# KiCad board V5_main.kicad_pcb (continued)
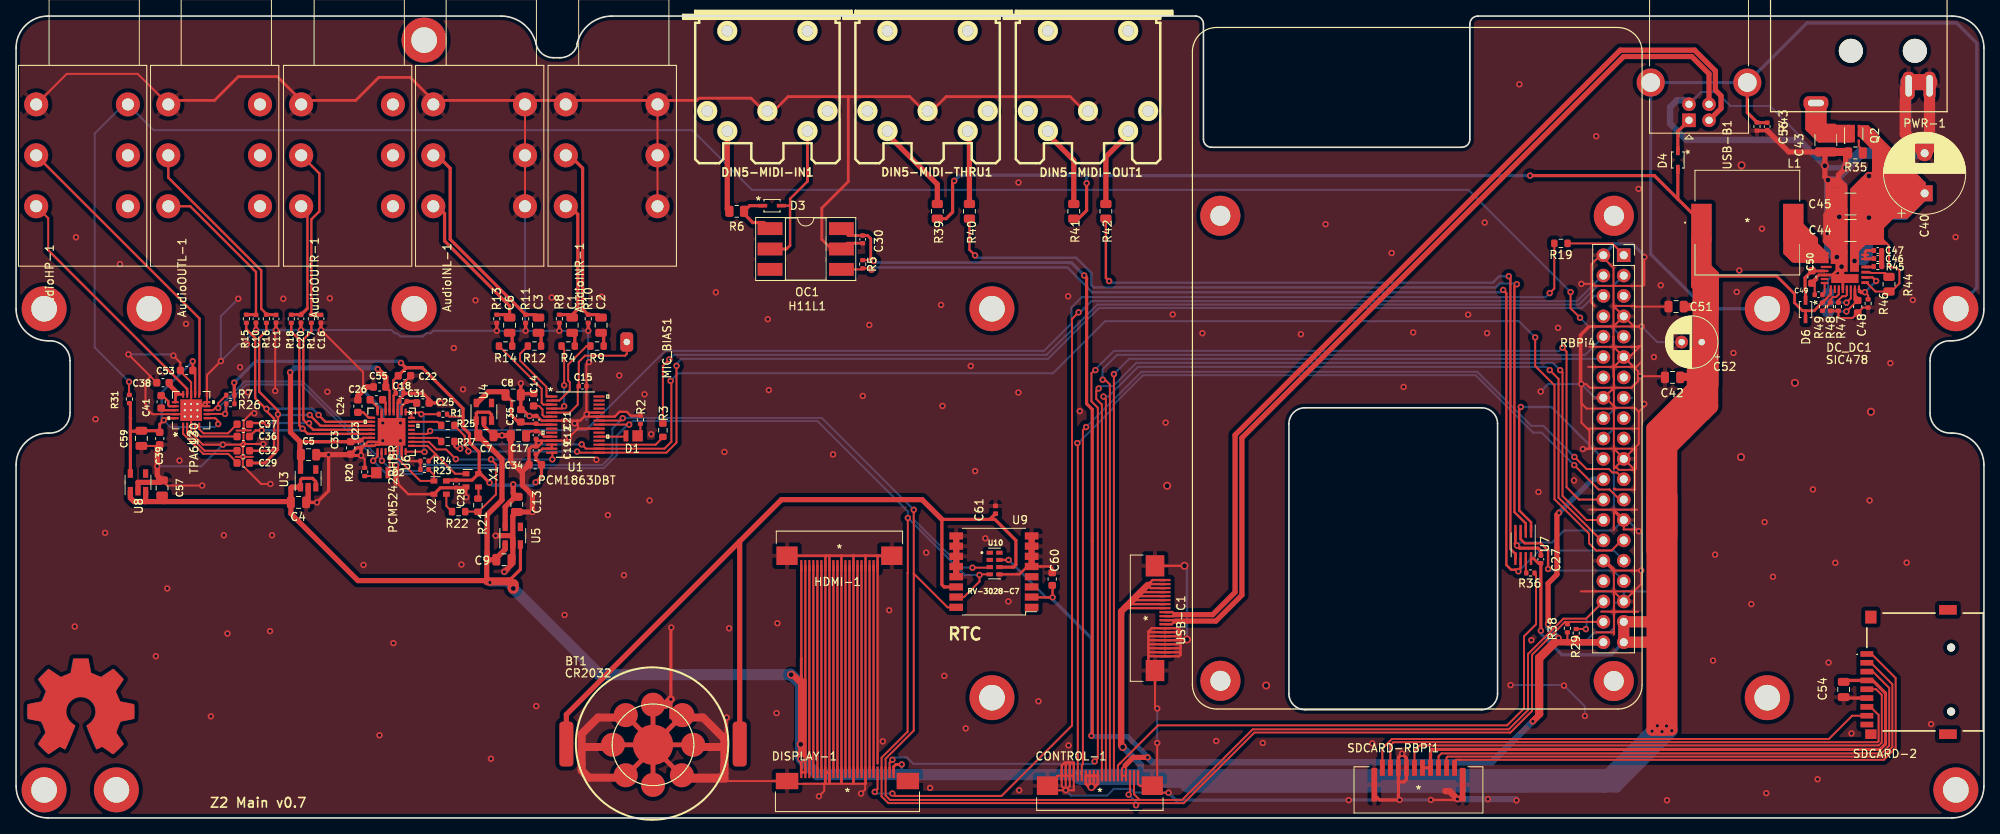
[diagram p0: board, top side]
## Nets (continued)
Net-(C14-Pad2): C14.2 U1.6
Net-(C15-Pad2): C15.2 MIC_BIAS1.1 U1.5
Net-(C24-Pad2): C24.2 U6.9
Net-(C25-Pad2): C25.2 C31.2 U6.2
Net-(C26-Pad1): C26.1 U6.8
Net-(C26-Pad2): C26.2 U6.6
Net-(C29-Pad2): C29.2 U2.1
Net-(C32-Pad2): C32.2 U2.2
Net-(C36-Pad2): C36.2 U2.4
Net-(C37-Pad2): C37.2 U2.5
Net-(C38-Pad2): C38.2 U2.15 U2.16
Net-(C40-Pad1): C40.1 C44.1 C45.1 DC_DC1.1 DC_DC1.7 DC_DC1.8 DC_DC1.29 Q2.2 R44.1
Net-(C41-Pad1): C41.1 U2.18
Net-(C41-Pad2): C41.2 U2.17
Net-(C43-Pad1): C43.1 PWR-1.1 Q2.3
Net-(C46-Pad1): C46.1 C47.1 DC_DC1.5 DC_DC1.6
Net-(C46-Pad2): C46.2 C47.2 R45.1
Net-(C48-Pad2): C48.2 DC_DC1.26 JP2.1
Net-(C49-Pad2): C49.2 DC_DC1.19
Net-(C50-Pad1): C50.1 D6.1 DC_DC1.16
Net-(C54-Pad1): C54.1 SDCARD-2.4 SDCARD-RBPi1.6 SDCARD-RBPi1.7
Net-(C56-Pad2): C56.2 R43.1 REF**#2.1 REF**#11.1 USB-B1.5
Net-(CONTROL-1-Pad15): CONTROL-1.15 R36.2
Net-(D1-Pad1): D1.1 R2.2
Net-(D1-Pad2): D1.2 U1.20
Net-(D2-Pad1): D2.1 R20.2
Net-(D2-Pad2): D2.2 U6.20
Net-(D3-Pad1): D3.1 OC1.1 R6.1
Net-(D3-Pad2): D3.2 DIN5-MIDI-IN1.5 OC1.2
Net-(D4-Pad1): D4.1 USB-B1.1
Net-(DC_DC1-Pad2): DC_DC1.2 DC_DC1.27 R46.1
Net-(DC_DC1-Pad3): DC_DC1.3 R44.2
Net-(DC_DC1-Pad4): DC_DC1.4 R45.2
Net-(DC_DC1-Pad12): DC_DC1.12 DC_DC1.13 DC_DC1.14 L1.2
Net-(DC_DC1-Pad22): DC_DC1.22 R48.1 R49.1
Net-(DC_DC1-Pad24): DC_DC1.24 R47.2
Net-(DC_DC1-Pad25): DC_DC1.25 JP2.2
Net-(DIN5-MIDI-IN1-Pad4): DIN5-MIDI-IN1.4 R6.2
Net-(DIN5-MIDI-OUT1-Pad4): DIN5-MIDI-OUT1.4 R41.1
Net-(DIN5-MIDI-OUT1-Pad5): DIN5-MIDI-OUT1.5 R42.1
Net-(DIN5-MIDI-THRU1-Pad4): DIN5-MIDI-THRU1.4 R39.1
Net-(DIN5-MIDI-THRU1-Pad5): DIN5-MIDI-THRU1.5 R40.1
Net-(DISPLAY-1-Pad3): DISPLAY-1.3 HDMI-1.18
Net-(DISPLAY-1-Pad4): DISPLAY-1.4 HDMI-1.17
Net-(DISPLAY-1-Pad5): DISPLAY-1.5 HDMI-1.16
Net-(DISPLAY-1-Pad6): DISPLAY-1.6 HDMI-1.15
Net-(DISPLAY-1-Pad9): DISPLAY-1.9 HDMI-1.12
Net-(DISPLAY-1-Pad10): DISPLAY-1.10 HDMI-1.11
Net-(DISPLAY-1-Pad12): DISPLAY-1.12 HDMI-1.9
Net-(DISPLAY-1-Pad13): DISPLAY-1.13 HDMI-1.8
Net-(DISPLAY-1-Pad15): DISPLAY-1.15 HDMI-1.6
Net-(DISPLAY-1-Pad16): DISPLAY-1.16 HDMI-1.5
Net-(DISPLAY-1-Pad18): DISPLAY-1.18 HDMI-1.3
Net-(DISPLAY-1-Pad19): DISPLAY-1.19 HDMI-1.2
Net-(P6-Pad1): RBPi4.22
Net-(P10-Pad1): RBPi4.24
Net-(P11-Pad1): RBPi4.26
Net-(P23-Pad1): RBPi4.33
Net-(Q2-Pad1): Q2.1 R35.2
Net-(R1-Pad1): R1.1 U6.1 U6.24 U6.32
Net-(R3-Pad1): R3.1 U1.18
Net-(R4-Pad1): R4.1 U1.4
Net-(R9-Pad1): R9.1 U1.2
Net-(R12-Pad1): R12.1 U1.1
Net-(R14-Pad1): R14.1 U1.3
Net-(R19-Pad2): R19.2 U6.28
Net-(R21-Pad1): R21.1 X1.3
Net-(R21-Pad2): R21.2 R22.2 U1.15 U6.26
Net-(R22-Pad1): R22.1 X2.3
Net-(R23-Pad1): R23.1 U6.21 X2.1
Net-(R24-Pad1): R24.1 U6.25 X1.1
Net-(R25-Pad2): R25.2 U6.31
Net-(R27-Pad2): R27.2 U6.27
Net-(R36-Pad1): R36.1 U7.7
Net-(R40-Pad2): R40.2 U7.2
Net-(R42-Pad2): R42.2 U7.5
Net-(RBPi4-Pad21): RBPi4.21
Net-(RBPi4-Pad23): RBPi4.23
Net-(SDCARD-2-Pad1): SDCARD-2.1 SDCARD-RBPi1.10
Net-(SDCARD-2-Pad2): SDCARD-2.2 SDCARD-RBPi1.9
Net-(SDCARD-2-Pad3): SDCARD-2.3 SDCARD-RBPi1.8
Net-(SDCARD-2-Pad5): SDCARD-2.5 SDCARD-RBPi1.5
Net-(SDCARD-2-Pad7): SDCARD-2.7 SDCARD-RBPi1.2
Net-(SDCARD-2-Pad8): SDCARD-2.8 SDCARD-RBPi1.1
Net-(USB-B1-Pad2): USB-B1.2 USB-C1.9 USB-C1.10
Net-(USB-B1-Pad3): USB-B1.3 USB-C1.11 USB-C1.12

Pads without a net: AudioHP-1 RN TN; AudioOUTL-1 RN SN TN; AudioOUTR-1 RN SN TN; DC_DC1 15 18 21; DIN5-MIDI-IN1 1 3; DIN5-MIDI-OUT1 1 3; DIN5-MIDI-THRU1 1 3; OC1 3; RBPi4 7 27 28 36 RBPi-1 RBPi-2 RBPi-3 RBPi-4; REF** 1; REF**#3 1; REF**#4 1; REF**#5 1; REF**#6 1; REF**#7 1; REF**#8 1; REF**#9 1; REF**#10 1; REF**#13 1; SDCARD-2 CD1 G1 MP1 MP2 MP3; U1 9 10 19 21 27 28 29 30; U3 4; U4 4; U5 4; U6 19 29 30; U8 4; U9 1 3 4; U10 1 2 8

## Via types
v1: diameter 0.8, hole 0.4, Top to Bottom, 288 vias
v2: diameter 1, hole 0.6, Top to Bottom, 23 vias

## Routing (per net, layer and track width the routed paths; a pad name or vN(x,y) marks a point on that pad's centre or on a via; arc(x,y) is an arc through that point)
3.3V: length 256
  Top w0.25: R38.1 193.3,21.95 ; 193.3,21.95 193.26,21.92 ; 193.3,21.95 197.75,21.95 RBPi4.1 ; R5.1 106.2,69.56 106.49,69.85 ; 197.77,42.25 RBPi4.17 ; 134.1,34.55 134.1,35.45 ; 138.3,6.45 138.19,6.55 137.8,6.15 CONTROL-1.16 CONTROL-1.17 138.3,6.45
  Top w0.3: 122.63,32.08 U10.7 ; C60.2 129.15,28.95 v1(129.15,27.5) 126.59,27.5 U9.2 125.98,27.55 ; 123.81,32.18 122.62,32.18
  Top w0.35: v1(106.89,69.45) 106.49,69.85 106.49,72.25 106.11,72.63 C30.1 103.7,72.63 OC1.6
  Top w0.4: R29.1 194.4,21.98 194.33,21.92 ; v1(133.1,67.65) 133.39,67.35 133.39,51.65 134.1,50.95 134.1,10.35 v1(134,10.25)
  Top w0.65: v1(190.9,24.15) 190.9,29.25 192,30.35 192,37.8 v1(192.25,38.06) ; v1(189,12.05) 189.6,12.65 189.6,20.05 191.46,21.92 191.68,21.7 191.75,21.7 191.75,22 v1(192.19,22.45) ; 138.19,6.55 139.19,7.55 v1(141,7.55)
  Top w0.8: 193.26,21.92 RBPi4.1 191.96,21.92 189.9,19.85 189.9,12.95 v1(189,12.05)
  Bottom w0.25: RBPi4.17 197.4,41.85
  Bottom w0.3: v1(129.15,27.5) 128.34,27.5 v1(123.67,32.18)
  Bottom w0.35: v1(106.89,69.45) 107.1,69.25 131,69.25
  Bottom w0.4: v1(133.1,67.65) 131.5,69.25 131,69.25 ; v1(134,10.25) 134,22.41 129.15,27.25
  Bottom w0.65: v1(141,7.55) 141,7.65 138.5,10.15 134.1,10.15 v1(134,10.25) ; v1(192.19,22.45) 190.9,23.75 v1(190.9,24.15) ; v1(192.25,38.06) 196.43,42.24 RBPi4.17
  Bottom w0.8: v1(189,12.05) 183.89,6.95 141.6,6.95 v1(141,7.55)
5V: length 990
  Top w0.25: 211.62,51.88 211.1,51.35
  Top w0.3: USB-C1.4 140.11,28.16 140,28.05 ; 141.3,29.35 141,29.05 141.38,28.66 USB-C1.3 ; 141.3,29.35 141.48,29.16 USB-C1.2 ; 141.3,29.35 141.61,29.66 USB-C1.1 ; USB-C1.5 139.61,27.66 139.6,27.65 ; USB-C1.7 138.61,26.66 138.35,26.4 ; R49.2 226.12,65.32 DC_DC1.20 ; 98.35,17.2 HDMI-1.19 ; 139.3,27.35 139.48,27.16 USB-C1.6 ; USB-C1.8 138.11,26.16 138.1,26.15 ; 97.84,19.85 HDMI-1.20
  Top w0.35: 97.84,17.7 v2(97.84,7.37) DISPLAY-1.1 DISPLAY-1.2 98.35,17.2 97.75,17.2 97.6,17.05 97.84,17.3 97.84,17.7 ; 97.84,17.7 97.84,19.85 ; v2(134,3.85) 133.8,4.05 CONTROL-1.8 ; v2(134,3.85) 133.7,3.85 133.3,4.25 CONTROL-1.7 CONTROL-1.10 134.8,4.25 134.39,3.85 v2(134,3.85) ; v2(134,3.85) 134.3,4.15 CONTROL-1.9 ; C27.1 189.68,31.77 189.1,32.35 U7.8 ; 222.98,63.25 D6.2 ; 222.98,63.25 222.6,63.25 221.61,64.24 221.61,65.35 219.4,67.56 211.99,67.56 211.69,67.26 ; 222.98,63.25 224.05,63.25 R49.2 ; 211.47,66.34 211.66,66.15 ; v1(110.36,6.68) 109.63,6.68 109.34,6.39 DISPLAY-1.24
  Top w0.4: U5.3 62.85,31 61.45,29.6 ; 207.06,77.18 D4.2 207.1,80.87 ; 207.06,77.18 204.14,80.1 v1(188.66,80.1) ; 207.06,77.18 L1.1 ; 58.7,31.9 58.64,31.85 ; C27.1 v1(190,23.35) ; U3.3 37.34,41.95 36.95,42.35 35.64,42.35 35.45,42.15 U3.1 ; C7.1 57.34,47.95 U4.1 57.34,50.45 57.5,50.6 58.95,50.6 59.25,50.3 U4.3 ; v1(116.89,79.45) 116.7,79.25 116.7,75.55 115.88,74.74 R39.2 ; v1(133.39,79.15) 133.39,75.75 132.38,74.74 R41.2
  Top w0.65: 210.43,72.21 210.43,67.57 ; 203.55,24.46 203.86,24.76 ; U8.3 16.14,39.5 16.09,39.45 ; 209.04,72.21 209.04,67.57 ; 16.09,39.45 14.7,39.45 14.25,39.9 U8.1 ; 16.09,39.45 18.39,39.45 ; 18.39,39.45 34.14,39.45 C4.1 ; 18.39,39.45 18.2,39.65 C57.1 ; C7.1 60.55,44.75 60.55,39.65 58.7,37.8 58.7,31.9 58.7,33.2 ; C4.1 34.25,37.95 42.59,29.6 58.64,29.6 58.64,31.85 59,32.2 C9.1 59.85,32.4 60.95,33.5 U5.1 60.89,34.1 ; C4.1 34.25,41.15 34.34,41.25 U3.1 ; 210.94,72.21 210.94,67.57 ; 209.67,72.21 209.67,67.57 ; 209.93,72.21 209.93,67.57 ; 211.15,64.05 209.9,64.05 209.5,64.45 209.5,69.45 ; 209.04,70.94 209.04,66.3 ; 209.23,69.03 209.23,64.39
  Top w0.8: 210.3,56.63 210.3,66.68 ; 211.07,56.7 211.07,66.75 ; 210.05,56.58 210.05,66.62 ; 210.27,66.68 209.97,66.98 209.97,67.96 210.57,67.36 210.57,67.1 211.02,67.1 211.02,67.77 209.5,69.29 ; 207.43,55.01 C52.1 ; v2(97.84,7.37) 97.84,16.8 96.7,17.95 ; 211.15,65.85 211.15,61.53 ; 209.3,64.45 209.3,54.4 ; 211.8,67.8 210.27,69.33 ; 141,29.05 137.69,25.75 137.69,9.05 v2(137.89,8.85) ; 209.3,53.11 209.3,54.53 ; 61.95,29.1 61.45,29.6 ; 211.5,50.92 205.75,45.16 ; 207.82,63.74 C51.1 ; 208.59,57.91 209.42,58.74 ; 211.69,67.26 210.17,68.79 ; 210.4,67.66 209.79,68.26 ; 211.15,61.53 211.15,57.2 211.1,57.15 ; 211.15,61.53 210.18,60.57 ; 211.75,53.95 211.75,56.32 ; 209.3,49.98 209.3,52.98
  Top w1: 58.7,29.51 61.51,29.51 ; 209.1,63.74 207.82,63.74 ; 208.67,55.01 207.43,55.01
  Top w1.4: 211.47,63.54 211.47,67.69 ; 203.86,24.04 203.86,40.09 204.07,40.31 ; 203.86,24.04 203.44,24.46 RBPi4.4 RBPi4.2 203.85,21.92 203.86,21.91 ; 203.86,24.04 203.86,21.91 ; 211.47,62.95 211.47,67.1 ; 205.38,10.96 203.85,10.96 ; 205,10.98 205,39.27 204.98,39.29 206.16,40.47 ; 210.18,63.32 210.18,50.43 209.42,49.67 ; 203.82,48.65 203.82,33.32 ; 208.88,53.7 203.96,48.78 ; 205.12,48.84 205.12,33.5 ; 61.95,28.65 61.95,29.1 ; 211.46,56.31 211.46,60.46 ; 203.86,21.91 203.86,10.96 ; 211.46,59.14 211.46,63.29 ; 206.32,10.96 204.79,10.96 ; 206.31,11.16 206.31,40.21 ; 207.24,47.37 207.24,51.52 ; 208.02,47.85 208.02,52 ; 208.88,53.58 208.88,57.73 ; 208.91,49.18 208.91,53.33 ; 205.97,49.93 205.97,34.59 ; 206.3,50.31 206.3,34.99
  Top w2: 211.1,57.15 211.1,51.35 210.18,50.43
  Bottom w0.35: v1(110.36,6.68) 110.36,5.91 109.85,5.41
  Bottom w0.4: RBPi4.2 198.76,20.35 192.62,20.35 190,22.98 v1(190,23.35) ; v1(133.39,79.15) 133.39,80.15 133.13,80.15 ; v1(188.66,80.1) 133.19,80.1 133.13,80.15 ; 133.13,80.15 117.6,80.15 v1(116.89,79.45)
  Bottom w0.8: v2(134,3.85) 134,5.26 134.14,5.41 ; 97.98,7.5 v2(97.84,7.37) ; 96.7,17.95 96.6,18.05 ; v2(137.89,8.85) 140.15,6.59 140.15,5.41 ; 144.8,5.35 144.85,5.41
  Bottom w1: v1(59.05,29.36) 61.21,29.36 v2(61.95,28.62)
  Bottom w1.4: 96.48,17.95 97.77,16.67 ; 203.86,10.96 198.3,5.41 186.6,5.41 187.01,5.41 ; 188.18,4.64 197.6,4.64 ; 206.19,11.28 205.88,11.28 ; 186.46,5.35 187.95,3.85 197.87,3.85 205,10.98 ; 205.19,11.28 204.88,11.28 ; 204.79,11.29 204.47,11.29 ; 199.4,3.87 206.34,10.81 ; 97.79,16.67 97.79,7.51 ; 205.71,11.27 205.38,11.27 ; v2(61.95,28.62) 72.7,17.87 v2(96.58,17.87) ; v2(97.84,7.37) 99.81,5.41 134.14,5.41 ; 197.75,3.87 199.41,3.87 ; 204.38,11.29 204.06,11.29 ; 206.34,10.95 206.34,11.27
  Bottom w2: 145.08,4.76 140.38,4.76 ; 138.67,5.11 132.66,5.11 ; 186.58,5.1 144.84,5.1 ; 144.83,5.1 140.13,5.1 ; 187.75,4.15 146.01,4.15 ; 140.14,5.11 134.13,5.11
  vias: v1(203.85,10.83) v1(204.5,11.5) v1(205.1,10.77) v1(205.66,11.47) v1(206.31,10.87) v2(97.77,9.18)
AVDD: length 45.1
  Top w0.3: U6.14 43.26,47.4 C23.1 ; U6.5 46.55,53.28 C55.1
  Top w0.4: C23.1 42.79,46.93 C33.2 ; 35.37,46.93 C33.2 ; C33.2 35.62,46.93
  Top w0.65: C55.1 46.07,54.97 v1(45.08,55.96) ; U3.5 35.45,45.25 C5.1 35.37,45.43 35.37,46.93 34.2,48.1 34.2,55.51 v1(34.14,55.56)
  Bottom w0.65: v1(45.08,55.96) 44.91,56.13 34.72,56.13 v1(34.14,55.56)
AVDD2: length 12.7
  Top w0.3: C35.1 63.1,49.17 C21.1 64.92,49.05 U1.8
  Top w0.4: C35.1 62.57,49.38 61.74,50.2 61.74,52 C8.1
  Top w0.65: C8.1 60.6,53.15 58.84,53.15 57.45,51.75 U4.5
AVDD3: length 39.1
  Top w0.25: 22.03,56.9 22.17,57.04 ; 18.17,48.36 C39.2 ; v1(25.19,49.12) 25.19,49.5 24.84,49.85 23.79,49.85 ; 22.31,55.39 22.03,55.67 ; 14.25,51.61 R31.1 ; 14.37,49.85 14.25,49.97 ; v1(18.41,49.6) 18.66,49.86 18.67,49.85
  Top w0.3: 22.31,52.83 22.31,55.39 ; 18.67,49.85 U2.20
  Top w0.35: C39.2 17.9,49.09 v1(18.41,49.6) ; 22.03,55.67 22.03,56.9
  Top w0.4: U8.5 14.25,48.23 ; 14.25,48.23 15.56,48.23 C59.1 17.7,48.29 C39.2 ; 14.25,48.23 14.25,51.61
  Bottom w0.25: v1(25.19,49.12) 24.81,48.75 19.2,48.75 18.41,49.54 v1(18.41,49.6) 18.17,49.85
  Bottom w0.3: v1(22.02,56.94) 18.17,53.09 18.17,49.85
DVDD: length 79.6
  Top w0.25: R7.1 R26.1 ; 55.7,50.05 54,50.05 53.7,50.34 R1.2
  Top w0.3: U1.13 U1.14 65.59,46.05 64.92,45.37 C19.1 ; 47.59,55.15 47,54.55 47,53.55 47.31,53.23 C18.2 47.05,52.68 U6.4
  Top w0.4: X2.4 53.73,42.13 C28.1 56.83,42.13 57.62,42.93 ; 50.59,56.15 48.56,56.15 v1(47.97,56.74) ; 50.59,56.15 48.62,56.15 C22.2 47.59,55.15 ; 50.59,56.15 55.7,51.05 55.7,48.7 56.5,47.9 56.5,46.82 57.7,45.61 57.7,43.01 57.62,42.93 ; 57.62,42.93 57.87,42.93 v1(59,41.8) ; v1(27.19,54.28) 27.19,52.75 R7.1 ; v1(64.74,41.85) 65.47,42.58 C34.1 64.8,44.72 C19.1
  Top w0.65: U5.5 60.95,38.8 62.2,40.05 C13.1 61.95,40.5 v1(61.95,41.6)
  Bottom w0.4: v1(47.97,56.74) 47.76,56.95 29.85,56.95 v1(27.19,54.28) ; v1(59,41.8) 59.31,41.49 61.83,41.49 v1(61.95,41.6) 62.1,41.45 64.35,41.45 v1(64.74,41.85)
GND: length 1590.1
  Top w0.25: 201.98,38.45 199.13,38.45 ; 201.62,28.28 201.62,25.45 ; 199.12,28.28 199.12,25.45 ; 202.12,25.72 198.63,25.72 ; 201,25.73 197.52,25.73 ; C54.2 227.85,14.95 ; 199.1,35.95 199.1,38.25 ; 199.1,38.25 200.19,37.16 RBPi4.14 ; 199.1,38.25 199.1,38.45 200.32,37.22 RBPi4.14 ; v1(130.8,3.45) 129.09,3.45 128.52,4.02 ; v1(130.8,3.45) CONTROL-1.2 ; v1(130.8,3.45) 131.8,3.45 CONTROL-1.4 CONTROL-1.1 ; v1(130.8,3.45) 131.3,3.95 CONTROL-1.3 ; v1(130.8,3.45) 130.3,3.95 CONTROL-1.1 ; 201.75,40.95 199.35,40.95 199.25,41.05 199.1,41.05 199.15,41.05 199.19,41 ; C39.1 17.75,46.39 C59.2 ; RBPi4.34 200.3,62.56 199.05,61.3 ; RBPi4.34 199.03,63.85 201.69,63.85 201.78,63.77 C51.2 ; RBPi4.34 201.59,61.29 v1(202.56,61.29) ; 199.12,23.14 199.12,22.89 ; 199.12,23.14 199.12,25.72 ; 199.12,23.14 196.9,23.14 ; 16.77,55.05 16.12,54.4 16.12,51.22 16.99,50.35 U2.19 20.58,50.35 20.69,50.46 ; 16.77,55.05 16.77,55.04 C38.1 ; 16.77,55.05 v1(14,57.81) ; 63.42,89.48 63.42,76.78 ; v1(29.69,50.47) 29.29,50.47 28.37,49.54 28.37,48.65 ; 27.95,46.55 28.26,46.24 ; 27.95,46.55 27.98,46.55 28.34,46.91 ; 27.95,46.55 v1(25.78,46.55) 23.28,46.55 21.81,48.02 U2.3 21.81,49.54 ; 28.26,46.24 28.26,45.35 ; 28.26,46.24 28.26,46.33 28.59,46.66 28.62,46.63 ; 199.1,55.05 199.1,51.05 ; 199.1,55.05 199.1,53.65 ; 199.1,55.05 199.05,55.1 199.05,60 ; 199.1,55.05 199.1,56.25 200.32,57.48 RBPi4.30 ; 199.1,51.05 199.1,50.25 ; 199.1,51.05 195.69,51.05 195.05,51.7 v1(195.05,54.1) ; 202.56,56.91 202.56,51.95 v1(202.88,51.63) 202.88,51.33 202.19,50.65 ; 202.56,56.91 201.9,56.25 195.9,56.25 ; 202.56,56.91 v1(202.56,61.29) ; U6.23 48.05,45.05 48.59,44.5 R24.2 R23.2 ; 28.57,45.03 28.26,44.72 28.25,44.72 ; 28.57,45.03 28.57,45.04 28.26,45.35 ; 28.57,45.03 29.5,45.03 ; 223.79,66.67 C50.2 ; C50.2 223.77,66.66 ; C50.2 224.12,66.34 C49.1 ; 201.59,28.26 194.99,28.26 ; 201.59,28.26 202.5,29.17 v1(202.5,30.85) 199.01,30.85 RBPi4.9 198.07,32.08 199.1,31.05 199.1,28.22 RBPi4.6 201.59,28.26 ; 201.87,46.05 201.9,46.05 ; 201.87,46.05 201.87,43.58 201.69,43.41 ; 201.87,46.05 199.1,46.05 ; 28.25,44.72 28.25,43.94 30.54,41.65 v1(31.7,41.65) ; 28.25,44.72 27.95,45.03 ; RBPi4.30 201.02,57.48 202.4,58.85 ; RBPi4.30 199.05,58.75 199.05,60 ; RBPi4.30 202.1,55.7 202.1,54.45 201.3,53.65 199.1,53.65 ; v1(142.19,9.35) 142.19,4.64 CONTROL-1.21 ; R20.1 43.45,44.75 v1(43,45.2) ; 199.15,51.3 199.1,51.25 199.1,50.25 ; 199.15,51.3 199.3,51.15 201.69,51.15 202.19,50.65 ; 199.15,51.3 198.05,52.4 RBPi4.25 197.84,52.4 199.1,53.65 ; v1(32.3,53.25) 32.3,60.75 v1(32.39,60.85) ; 79.93,89.48 79.93,76.78 ; v1(202.38,55.09) 205.31,55.09 C52.2 ; 199.05,61.3 199.05,68.6 197.78,69.86 RBPi4.39 ; 199.05,61.3 199.05,60 ; 199.05,61.3 198.94,61.3 ; 23.79,51.85 23.79,51.35 23.05,51.35 23.55,51.85 23.79,51.85 ; 23.79,51.85 23.79,55.24 v1(25.52,56.97) ; v1(202.56,61.29) 198.96,61.29 ; v1(202.56,61.29) 202.56,59.01 202.4,58.85 ; 198.96,61.29 198.94,61.3 ; 198.96,61.29 196.13,61.29 195.05,60.2 v1(195.05,54.1) ; 28.36,48.31 28.34,48.29 28.34,46.91 ; 28.36,48.31 27.48,48.31 ; 28.36,48.31 28.37,48.31 28.37,48.65 ; 196.69,63.85 196.3,64.25 196.3,69.05 197.42,70.18 RBPi4.39 ; 202.19,50.65 202.19,48.55 ; 202.19,48.55 196,48.55 195.9,48.45 ; 202.19,48.55 202.19,46.65 RBPi4.20 ; RBPi4.39 197.78,70.64 ; 28.26,45.35 27.95,45.03 ; 199.1,46.05 199.1,43.55 RBPi4.20 ; 199.1,46.05 199.1,50.25 ; 199.1,46.05 200.32,44.82 RBPi4.20 ; 199.1,46.05 196.05,46.05 196.05,48.3 195.9,48.45 ; v1(105.3,3.05) 105.8,3.55 105.8,4.25 100.7,4.25 ; 28.62,46.63 v1(30.8,46.63) ; 28.62,46.63 28.34,46.91 ; 195.9,48.45 195.05,49.3 v1(195.05,54.1) ; CONTROL-1.21 140.02,4.02 139.8,4.25 CONTROL-1.20 ; CONTROL-1.21 141.62,4.02 142.5,3.15 v1(143.6,3.15) ; 202.4,58.85 202.19,58.85 202.1,58.75 196,58.75 ; RBPi4.14 200.32,35.98 201.97,35.98 v1(202.19,35.75) ; 70,49.55 70,48.55 v1(68.89,47.45) 68.49,47.05 67.9,47.05 ; v1(43.25,53.3) 43.25,55.6 v1(38,60.85) ; 127.94,4.6 128.52,4.02 ; 128.52,4.02 129.76,5.27 CONTROL-1.1 ; v1(100.05,2.7) 100.7,3.35 100.7,4.25 ; 201.69,43.41 199.71,43.41 199.33,43.78 ; 201.69,43.41 201.69,41.1 ; 201.69,43.41 RBPi4.20 ; v1(23.2,41.45) 18.84,41.45 C57.2 ; 21.81,52.16 21.81,54.34 20.48,55.67 20.48,56.78 v1(19.6,57.65) ; 27.37,45.03 27.95,45.03 ; 199.05,38.45 196.2,38.45 ; 198.94,61.3 195.9,61.3 194.85,60.25 194.85,54.3 v1(195.05,54.1) ; 199.1,53.65 196.1,53.65 195.65,54.1 v1(195.05,54.1) ; USB-C1.21 141.92,13.93 v1(142.19,13.65) ; C15.1 71.08,56.53 v1(71.39,56.85) ; 100.7,4.25 97.3,4.25 96.94,4.6 DISPLAY-1.25 88.25,4.6 ; R46.2 230.14,63.65 C48.1 228.84,62.35 227.07,62.35 R47.1 R48.2 ; AudioOUTL-1.S 15.16,92.79 6.32,92.79 AudioHP-1.S ; 28.37,48.65 28.68,48.33 29.27,48.33 ; 218.16,85.71 C56.1 ; 202.9,66.45 v1(202.9,69.95) 202.69,69.75 202.69,66.35 196.69,66.35 196.44,66.6 v1(195.05,66.6) ; 228.16,83.06 R35.1
  Top w0.3: 145.1,22.75 145.01,22.66 USB-C1.15 141.21,22.66 141.1,22.55 ; 145.1,22.75 145.1,22.25 ; 145.1,22.75 145.1,23.35 ; 65.5,47.05 65.02,47.05 C12.2 C19.2 65.08,46.33 65.5,46.75 65.5,47.05 ; 65.5,47.05 U1.12 67.9,47.05 ; CONTROL-1.3 131.3,6.85 131.35,6.9 130.94,6.9 ; 145.1,22.25 145.01,22.16 USB-C1.16 141.11,22.16 141.1,22.15 ; 145.1,22.25 145.1,21.65 ; 145.1,22.25 v2(145.89,22.25) ; 130.94,6.9 130.8,6.75 CONTROL-1.2 ; 130.94,6.9 130.64,6.9 130.3,6.55 CONTROL-1.1 ; 145.1,21.25 145.01,21.16 USB-C1.18 141.18,21.16 141.1,21.25 ; 145.1,21.25 145.1,21.65 ; 145.1,21.25 145.1,20.65 ; 145.1,23.35 144.91,23.16 USB-C1.14 141.18,23.16 141.1,23.25 ; 145.1,23.35 144.78,23.66 USB-C1.13 141.51,23.66 141.1,23.25 ; C60.1 129.11,31.12 128.86,31.36 U9.5 126,31.36 125.02,30.38 U10.5 ; DISPLAY-1.11 HDMI-1.10 102.85,32.7 102.85,32.7 ; C15.1 71.08,50.37 v1(71.1,50.35) ; USB-C1.22 145.59,31.44 v2(145.6,31.45) ; 107.35,6.8 HDMI-1.1 107.35,32.7 ; DC_DC1.30 227.46,69.95 ; CONTROL-1.4 131.8,6.89 131.78,6.9 131.23,6.9 ; U6.22 47.55,46.7 v1(47.89,47.05) 48.05,46.9 U6.23 ; DISPLAY-1.14 HDMI-1.7 104.35,32.7 ; 141.1,22.55 141.1,22.15 ; 141.1,22.55 141.1,23.25 ; 141.1,22.15 141.1,21.65 ; 101.35,32.7 101.35,32.7 HDMI-1.13 DISPLAY-1.8 DISPLAY-1.7 HDMI-1.14 100.85,32.6 ; U1.26 71.3,50.55 v1(71.1,50.35) ; U6.7 45.55,49.4 U6.33 47.55,48.9 U6.3 47.55,51.78 C31.1 47.72,52.17 48.28,52.73 C18.1 ; v1(56.09,40) 56.07,40.03 56.07,41.28 ; 145.1,21.65 145.08,21.66 USB-C1.17 141.11,21.66 141.1,21.65 ; R2.1 76.58,50.16 76.1,50.65 75.2,50.65 74.6,50.05 U1.25 71.39,50.05 v1(71.1,50.35) ; 141.1,20.75 141.18,20.66 USB-C1.19 145.08,20.66 145.1,20.65 ; 141.1,20.75 141.1,21.25 ; 141.1,20.75 141.1,20.15 ; U1.22 70,48.55 ; v1(47.89,53.85) 49.17,55.12 C22.1 ; v1(47.39,41.85) 48.87,40.38 52.07,40.38 ; v1(71.1,50.35) 70.29,49.55 U1.7 65.5,49.55 64.92,50.13 C21.2 ; 145.1,20.65 145.1,20.35 144.91,20.16 USB-C1.20 141.11,20.16 141.1,20.15 ; v1(195.23,46.01) 195.8,46.01 195.84,46.05 196.05,46.05 ; 141.1,21.25 141.1,21.65 ; 141.1,20.15 141.1,19.21 USB-C1.21 ; v1(176.3,2.25) 179.5,2.25 v1(179.6,2.35) 180.24,3 SDCARD-RBPi1.11 ; 105.84,32.7 105.85,32.7 HDMI-1.4 DISPLAY-1.17 ; 44.8,46.55 45.2,46.55 v1(45.7,47.05) 45.54,46.9 U6.15 43.84,46.9 43.11,46.17 C23.2 43.22,46.4 U6.16 44.64,46.4 44.8,46.55
  Top w0.35: DC_DC1.23 227.62,67.01 DC_DC1.28 227.42,67.71 ; C30.2 103.56,71.67 OC1.5 101.6,70.95 100.39,72.15 100.39,76.05 103.7,79.35 103.7,89.95 ; 186.8,34.2 186.82,34.22 U7.4 ; 100.85,32.6 100.94,32.7 ; 100.94,32.7 HDMI-1.21 ; 100.94,32.7 104.34,32.7 ; 105.8,4.25 105.85,4.3 DISPLAY-1.17 ; 103.7,89.95 111.36,89.95 113.58,87.72 113.67,87.72 115.89,89.95 131.35,89.95 133.57,87.72 ; 103.7,89.95 96.2,89.95 93.97,87.72 93.62,87.72 91.59,89.75 85.1,89.75 84.83,89.48 51.99,89.48 49.12,92.35 45.2,92.35 42.33,89.48 35.53,89.48 32.56,92.45 27.7,92.45 24.73,89.48 18.97,89.48 ; 224.37,67.46 224.37,67.16 223.9,66.69 C50.2 223.77,66.86 224.37,67.46 ; 224.37,67.46 224.62,67.71 DC_DC1.17 226.32,67.71 226.87,68.26 ; DISPLAY-1.11 102.84,4.4 ; 107.35,32.7 HDMI-1.22 ; 107.35,32.7 104.34,32.7 ; 107.35,32.7 107.35,32.7 ; DISPLAY-1.7 100.85,4.4 100.7,4.25 ; 104.34,32.7 104.35,32.7 ; DISPLAY-1.8 101.34,4.3 ; DISPLAY-1.14 104.35,4.3
  Top w0.4: U10.5 122.57,30.38 ; SDCARD-RBPi1.12 169.25,2.9 169.89,2.25 v1(172.39,2.25) 172.25,2.4 172.25,4.5 ; 81.6,12.5 81.6,23.7 v1(81.64,23.75) ; C4.2 v1(37.5,39.35) 38.95,40.8 v1(38.95,45.3) ; 225.87,78.36 227.1,77.14 C45.2 ; 225.87,78.36 225.67,78.16 225.67,75.14 ; 225.87,78.36 225.97,78.46 227.57,78.46 227.67,78.36 227.67,75.98 ; 186.8,34.2 v1(187.02,33.97) 187.35,33.65 189.65,33.65 190,33.3 C27.2 ; 225.86,78.83 227.46,78.83 ; C20.2 v1(35.5,60.85) ; 227.85,14.95 SDCARD-2.6 ; C8.2 63.07,52.93 C14.1 ; C8.2 v1(62.89,54.2) ; C8.2 C35.2 ; 88.55,12.45 88.6,12.5 ; R10.1 v1(71.3,60.75) ; 47.88,53.83 v1(47.89,53.85) 48.28,53.47 C18.1 50.7,52.95 51.47,52.18 C25.1 v1(52.89,51.75) ; 52.07,40.38 52.86,41.17 C28.2 55.97,41.17 56.07,41.28 ; R11.1 v1(63.49,60.75) ; 172.25,4.5 172.94,4.5 173.24,4.8 SDCARD-RBPi1.4 173.24,7.47 v1(172.69,8.02) 172.25,7.57 SDCARD-RBPi1.3 172.25,4.5 ; 225.83,79.12 227.43,79.12 ; C10.2 v1(29.89,60.85) ; 88.5,4.63 88.5,12.48 ; C35.2 63.12,50.93 63.92,50.13 v1(63.98,50.13) C21.2 ; C35.2 62.89,51.33 ; R43.2 218.16,85.71 ; C11.2 v1(32.39,60.85) ; U4.2 58.3,48.9 C7.2 ; C19.2 64.27,46.33 63.92,45.97 C34.2 ; R8.1 v1(67.7,60.75) ; C16.2 v1(38,60.85) ; R13.1 v1(59.89,60.75) ; v1(43,45.2) 41.87,45.2 C33.1 42.49,46.17 C23.2 v1(43,45.2)
  Top w0.65: 226.33,75.11 226.33,73.63 ; 226.69,75.39 226.69,73.91 ; 226.13,76.22 226.13,77.7 225.77,78.06 v2(225.77,79.56) ; 226.46,78.31 226.46,76.83 ; 227.73,77.3 227.73,75.82 ; 225.93,78.08 227.41,78.08 ; DC_DC1.28 227.46,67.67 v2(227.46,68.75) DC_DC1.30 ; C56.1 220.88,83.06 C43.2 225.38,82.94 v2(225.38,81.33) 225.38,79.95 v2(225.77,79.56) ; U8.2 15.2,41.85 17.95,41.85 C57.2 17.59,42.7 v1(17.59,43.85) 17.59,46.24 C39.1 ; 63.1,43.22 62.92,43.22 61.64,44.5 C17.2 61.6,47.7 v1(60.55,47.7) C7.2 ; 63.1,43.22 C34.2 ; 63.1,43.22 63.1,41.5 64.35,40.25 v1(64.35,38.15) C13.2 61.89,37.65 U5.2 ; v1(59.75,35.2) 61.64,35.2 61.89,34.95 U5.2 ; R35.1 227.96,82.61 v2(227.96,81.08) 227.08,80.2 227.08,79.56 ; v1(60.85,30.7) 61.74,31.6 C9.2 61.89,32.35 U5.2 ; v2(225.77,79.56) 227.08,79.56 ; 227.08,79.56 227.73,78.92 227.73,77.11 ; C55.2 43.7,53.75 v1(43.25,53.3) 42.59,52.65 C24.1 ; C4.2 36.39,39.6 U3.2 ; 225.9,78.13 225.9,76.65 ; C33.1 41.62,45.3 v1(38.95,45.3) C5.2 ; v1(47.34,43.95) 47.34,41.9 v1(47.39,41.85)
  Top w0.8: U9.13 U9.12 U9.11 U9.10 U9.9 ; U9.8 U9.7 U9.6 U9.5 ; 178.1,3.35 178.6,3.35 v1(179.6,2.35)
  Top w1: 74.25,8.85 70.79,8.85 ; 87.76,8.85 84.3,8.85 ; 227.61,71.6 226.93,71.6 226.32,72.21 226.32,72.61 ; 227.61,71.6 227.67,71.66 227.67,75.98 C45.2 225.67,75.14 v1(225.67,72.86) 225.67,71.96 ; 227.61,71.6 DC_DC1.9 227.61,70.1 227.46,69.95 ; DC_DC1.11 226.61,71.02 225.67,71.96 ; 226.93,73.87 226.28,73.22 ; 227.71,70.72 227.71,75.05 ; 75.97,12.53 72.52,12.53 70.47,10.48 70.47,5.93 71.38,5.03 75.97,5.03 ; 82.97,5.02 87.78,5.02 88.25,5.49 88.25,9.88 85.61,12.52 83.04,12.52 ; v1(81.6,14.8) 80.91,14.11 79.37,14.11 ; 225.67,71.96 226.32,72.61 ; C43.2 228.16,83.06 ; 83.48,4.9 88.3,4.9 ; 226.32,72.61 226.97,73.26 C44.2 ; 227.7,74.38 227.7,78.7 ; 88.26,4.97 88.26,6.09
  Top w1.4: PWR-1.2 238.42,83.5 C40.2 235.41,85.3 235.41,90.89 PWR-1.3
  Top w2: 238.42,91.76 235.81,91.76
  Bottom w0.25: RBPi4.14 200.3,37.16 199,35.85 192.9,35.85 191.4,34.35 187.39,34.35 v1(187.02,33.97) ; RBPi4.14 200.79,37.16 v1(202.19,35.75) 202.5,35.45 v1(202.5,30.85) ; RBPi4.14 199.1,38.38 199.1,38.45 ; RBPi4.20 199.1,43.55 199.1,35.95 ; 195.5,21.95 196.69,23.15 198.6,23.15 199.1,23.65 199.1,26.85 ; v1(195.49,12.72) 195.49,13.9 v1(192.88,16.51) ; v1(59.89,60.75) 51.99,60.75 51.67,60.44 51.11,60.44 50.72,60.05 47.89,60.05 47.51,60.44 47.2,60.44 46.78,60.85 v1(38,60.85) ; v1(59.89,60.75) 59.8,60.85 ; v1(59.89,60.75) v1(63.49,60.75) ; v2(227.46,68.75) 225.77,67.06 JP2.3 ; U2.21 U2.V ; U2.21 U2.V ; U2.21 U2.V ; U2.21 U2.V ; U2.21 U2.V ; U2.21 U2.V ; U2.21 U2.V ; U2.21 U2.V ; v1(27.7,64.75) 25.52,62.58 v1(25.52,56.97) 27.65,59.1 v1(28.75,59.1) 28.75,59.7 v1(29.89,60.85) ; RBPi4.30 200.32,57.48 ; RBPi4.30 202.3,55.5 202.3,54.65 201.3,53.65 199.1,53.65 ; RBPi4.30 199.1,56.25 199.1,53.65 ; 201.8,38.45 195.9,38.45 ; v1(25.78,46.55) 23.07,43.85 v1(17.59,43.85) ; v1(63.49,60.75) v1(67.7,60.75) v1(71.3,60.75) 71.3,56.95 v1(71.39,56.85) ; v1(63.49,60.75) 63.42,60.83 63.42,76.78 ; v1(202.56,61.29) 204.5,59.34 C42.2 ; 222.16,84.55 222.16,85.14 218.52,88.79 213.62,88.79 211.9,90.51 209.96,90.51 USB-B1.4 ; 2.51,89.48 2.86,89.48 ; RBPi4.9 197.57,32.08 ; v1(14,57.81) 19.48,57.81 19.59,57.71 ; 199.1,26.85 199.1,28.25 195.4,28.25 ; 199.1,26.85 200.18,26.85 RBPi4.6 200.32,28.22 200.3,28.25 203.1,28.25 ; 202.38,55.1 v1(202.38,55.09) ; v1(142.19,13.65) v1(142.19,9.35) ; 199.1,53.65 197.84,52.4 RBPi4.25 196.75,52.4 v1(195.05,54.1) 190.9,54.1 v1(189.97,53.18) ; 143.6,3.05 v1(143.6,3.15) 139.34,3.15 138.86,3.63 136.79,3.63 135.94,2.78 131.46,2.78 v1(130.8,3.45) ; v1(186.23,16.57) 192.78,16.57 ; PWR-1.3 235.15,90.63
  Bottom w0.3: v2(145.89,22.25) 145.89,31.15 v2(145.6,31.45) ; v1(38,60.85) v1(35.5,60.85) v1(32.39,60.85) v1(29.89,60.85) ; 71.1,49.65 v1(71.1,50.35)
  Bottom w0.4: RBPi4.39 197.78,70.24 199.15,71.6 201.4,71.6 202.9,70.1 v1(202.9,69.95) ; v1(43.25,53.3) 45.7,50.85 v1(45.7,49.25) ; v1(47.89,53.85) v1(47.89,49.25) ; v1(176.3,2.25) v1(172.39,2.25) 166.08,2.25 v1(166.06,2.22) 144.52,2.22 v1(143.6,3.15) ; 45.59,47.05 v1(47.89,47.05)
  Bottom w0.65: 226.97,79.56 227.96,80.55 v2(227.96,81.08) 225.63,81.08 v2(225.38,81.33) ; v1(47.34,43.95) 47.89,44.5 v1(47.89,47.05)
  Bottom w0.8: v1(179.6,2.35) v1(183.39,2.35) 186.81,2.35 v1(186.95,2.2) ; v1(60.85,30.7) 60.85,30.65 ; 208.45,89.5 206.94,89.5 206.1,88.65 206.1,86.6 208.15,84.55 222.16,84.55 v2(225.38,81.33)
  Bottom w1: 227.67,74.46 v2(227.17,74.96) ; 227.67,74.46 227.67,69.36 227.46,69.15 v2(227.46,68.75) ; 227.67,74.46 227.67,78.86 226.97,79.56 v2(225.77,79.56) 225.77,70.66 226.49,69.95 v2(226.87,69.95)
  Bottom w1.4: 235.49,91.48 235.49,85.2 235.51,85.2 C40.2 229.78,82.89 v2(227.96,81.08)
  Bottom w2: 238.36,91.73 235.75,91.73
  vias: v1(7.31,23.87) v1(7.46,72.41) v1(9.9,49.73) v1(11.09,35.56) v1(12.95,69.06) v1(17.42,20.16) v1(18.84,28.62) v1(20.36,44.57) v1(21.18,61.62) v1(24.28,12.67) v1(25.89,35.25) v1(26.34,23) v1(27.91,56.21) v1(28.9,53.08) v1(31.64,23.3) v1(31.89,35.25) v1(33.3,64.75) v1(38.8,53.15) v1(39.09,64.8) v1(43.3,31.55) v1(45.28,10.31) v1(47.02,21.8) v1(54.55,58.6) v1(55.5,31.6) v1(55.7,53.45) v1(57.25,64.55) v1(59.18,7.39) v1(64.82,13.95) v1(66.74,64.9) v1(68.35,25.32) v1(69.6,49.2) v1(72.32,44.67) v1(72.95,65) v1(73.74,37.77) v1(75.17,55.18) v1(75.74,30.28) v1(78.3,52.83) v1(78.94,39.59) v1(79.14,47.85) v1(87.2,65.55) v1(88.27,45.64) v1(88.54,12.53) v1(88.85,23.65) v1(93.67,62.2) v1(93.8,53.35) v1(94.76,13.08) v1(94.86,24.28) v1(101.8,45.33) v1(105.51,52.62) v1(106.32,61.48) v1(107.99,9.55) v1(108.8,25.9) v1(113.41,33.09) v1(113.89,3.75) v1(115.26,63.98) v1(115.44,51.38) v1(115.67,17.72) v1(118.33,11.17) v1(118.95,56.36) v1(119.5,43.25) v1(120.77,34.87) v1(123.64,27) v1(124.91,79.24) v1(124.89,53.05) v1(124.99,3.45) v1(127.39,14.55) v1(131.1,65.05) v1(131.14,9.05) v1(132.54,50.73) v1(143.25,49.3) v1(144.12,62.79) v1(147.82,60.45) v1(149.55,9.6) v1(155.35,9.35) v1(160.09,60.32) v1(163.16,74.04) v1(169,9.3) v1(171.39,70.45) v1(172.89,53.75) v1(174.09,60.55) v1(180.94,62.77) v1(183,74.25) v1(183.3,60.45) v1(187.32,91.49) v1(188.81,22.17) v1(189.69,40.65) v1(192.13,61.12) v1(194.12,42.08) v1(196.89,85.01) v1(202.18,78.45) v1(204.08,57.48) v1(204.94,66.43) v1(205.71,2.21) v1(211.45,19.63) v1(211.7,32.84) v1(213.99,57.98) v1(214.4,65.6) v1(214.73,68.27) v1(216.22,26.67) v1(217.55,73.48) v1(217.88,36.9) v1(218.08,3.09) v1(218.92,30.08) v1(223.9,40.97) v1(224.48,4.83) v1(225.84,19.38) v1(226.69,31.82) v1(228.69,10.54) v1(230.96,39.59) v1(233.55,56.71) v1(235.57,31.84) v1(236.34,64.59) v1(238.62,11.71) v1(241.67,72.44) v2(143.43,41.42) v2(155.76,16.52) v2(214.94,45) v2(215,81.39) v2(221.65,54.26) v2(231.12,50.65)
